# KiCad board tiddlywink-backup.kicad_pcb
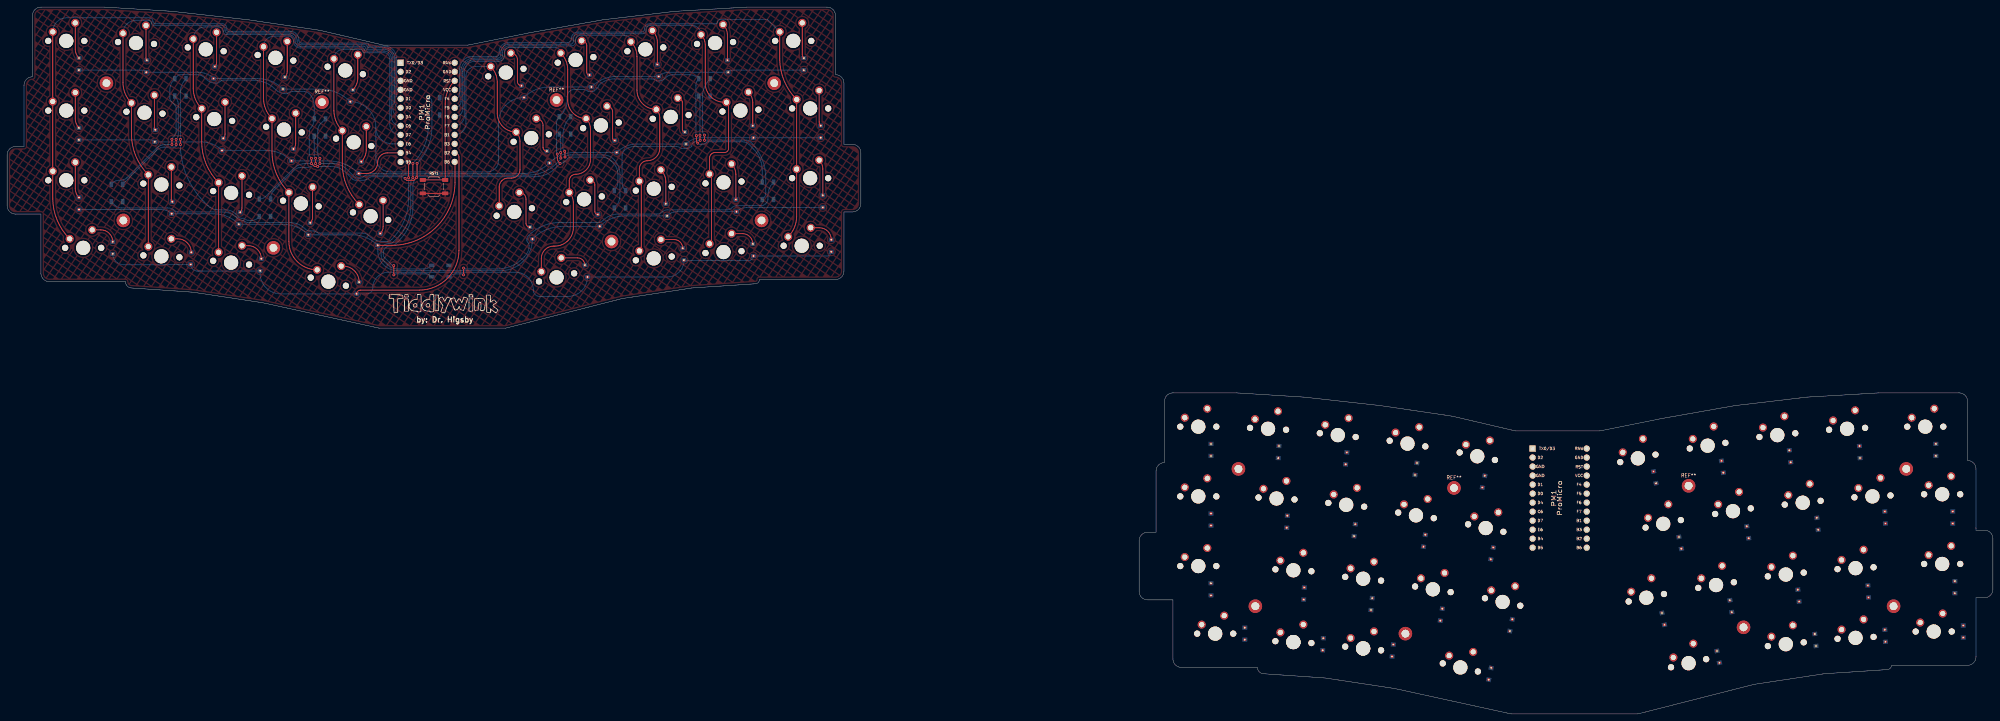
[diagram p0: board, top side]
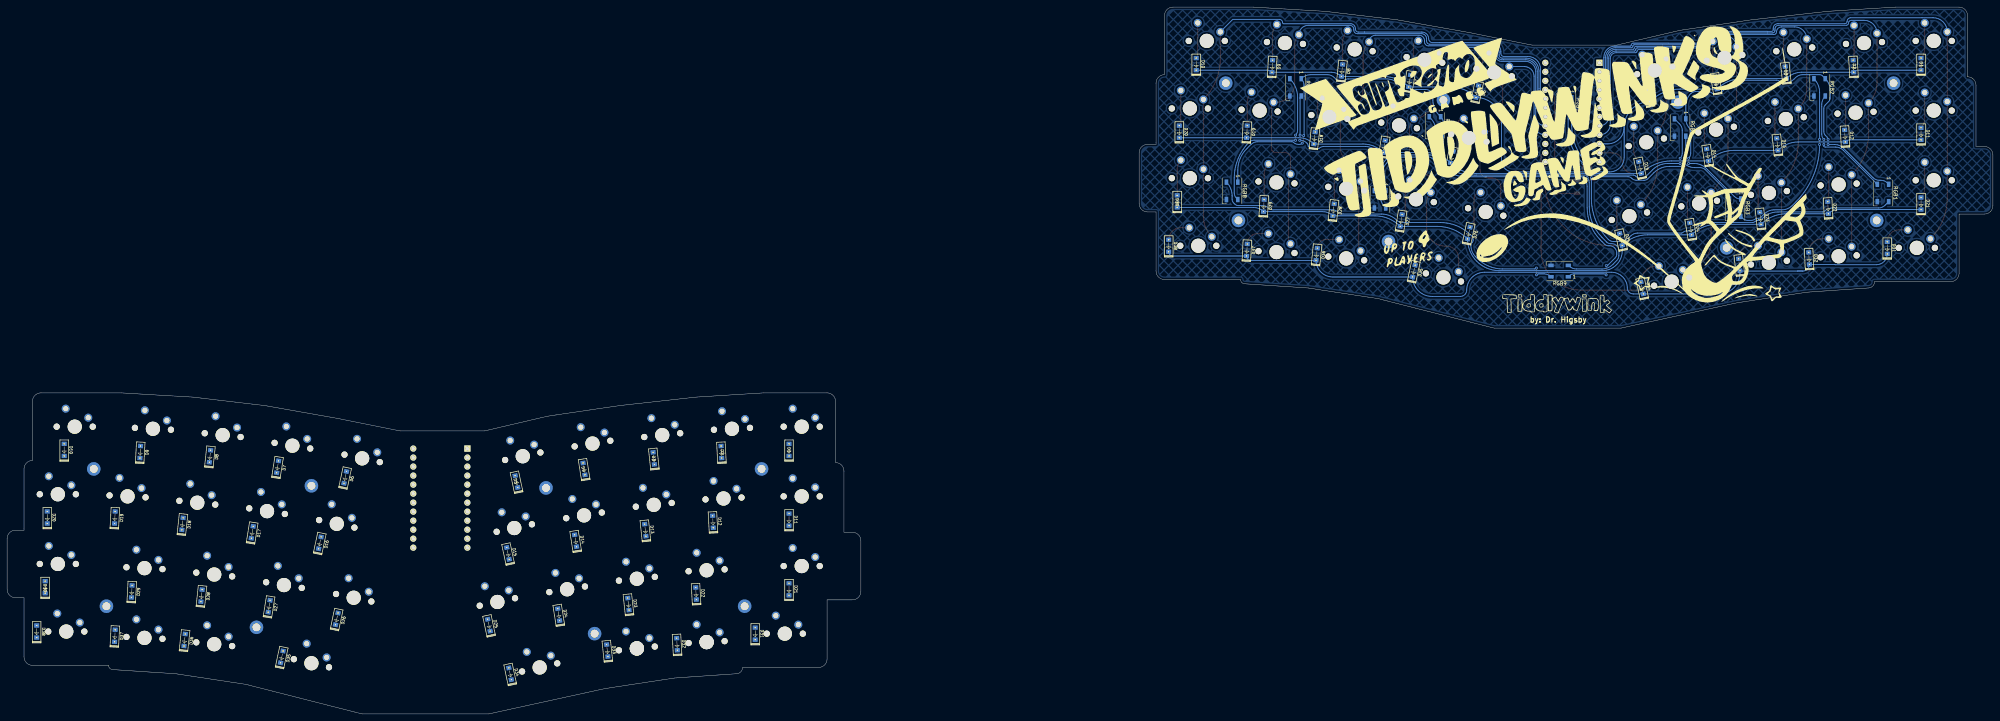
[diagram p1: board, bottom side, seen from below]

Outline 559.4 x 199.23 mm; copper layers: Top, Bottom. Coordinates in mm from the lower left corner of the outline.
Outline path: circle c346.87,69.06 r1 ; circle c351.63,30.36 r1 ; circle c393.9,22.62 r1 ; circle c407.59,63.7 r1 ; circle c473.67,64.29 r1 ; circle c489.15,24.41 r1 ; circle c531.42,30.36 r1 ; circle c534.99,69.06 r1 ; 0,157.56 0,143.27 arc(0.7,141.59) 2.38,140.89 9.53,140.89 9.53,124.22 arc(10.22,122.54) 11.91,121.84 33.34,121.84 arc(33.86,120.58) 35.12,120.06 52.39,118.87 72.03,115.89 104.78,108.75 140.49,108.75 173.24,117.08 192.88,120.06 210.74,121.25 arc(211.58,121.6) 211.93,122.44 233.36,122.44 arc(235.05,123.14) 235.74,124.82 235.74,141.49 238.13,141.49 arc(239.81,142.19) 240.51,143.87 240.51,158.16 arc(239.81,159.84) 238.13,160.54 235.74,160.54 235.74,177.8 arc(235.05,179.49) 233.36,180.18 233.36,196.85 arc(232.67,198.54) 230.98,199.23 208.36,199.23 188.12,198.04 167.88,195.66 147.64,192.09 129.78,188.52 105.97,188.52 88.11,192.69 67.87,195.66 46.43,198.04 27.38,199.23 9.53,199.23 arc(7.84,198.54) 7.14,196.85 7.14,179.59 arc(5.46,178.89) 4.76,177.21 4.76,159.94 2.38,159.94 arc(0.7,159.25) 0,157.56 ; 318.89,48.82 318.89,34.53 arc(319.59,32.84) 321.27,32.15 328.42,32.15 328.42,15.48 arc(329.11,13.79) 330.8,13.1 352.23,13.1 arc(352.75,11.83) 354.01,11.31 371.28,10.12 390.92,7.14 423.67,0 459.39,0 492.13,8.33 511.77,11.31 529.63,12.5 arc(530.47,12.85) 530.82,13.69 552.25,13.69 arc(553.94,14.39) 554.64,16.07 554.64,32.74 557.02,32.74 arc(558.7,33.44) 559.4,35.12 559.4,49.41 arc(558.7,51.09) 557.02,51.79 554.64,51.79 554.64,69.06 arc(553.94,70.74) 552.25,71.44 552.25,88.11 arc(551.56,89.79) 549.87,90.49 527.25,90.49 507.01,89.3 486.77,86.92 466.53,83.34 448.67,79.77 424.86,79.77 407,83.94 386.76,86.92 365.33,89.3 346.28,90.49 328.42,90.49 arc(326.73,89.79) 326.04,88.11 326.04,70.84 arc(324.35,70.14) 323.65,68.46 323.65,51.2 321.27,51.2 arc(319.59,50.5) 318.89,48.82

## Placement (name value [footprint] x y rotation side)
   LOGO  [tiddlytext]  122.92 115.71 0 top
 #2  LOGO  [tiddlytext]  122.81 115.69 180 bottom
D1  D_Small  [D_SOD123_via]  339.13 74.41 90 bottom
D1#2  D_Small  [D_SOD123_via]  20.24 183.16 90 bottom
D2  D_Small  [D_SOD123_via]  358.18 73.82 87 bottom
D2#2  D_Small  [D_SOD123_via]  39.29 182.57 87 bottom
D3  D_Small  [D_SOD123_via]  58.34 180.78 84 bottom
D3#2  D_Small  [D_SOD123_via]  377.23 72.03 84 bottom
D4  D_Small  [D_SOD123_via]  396.88 69.06 81 bottom
D4#2  D_Small  [D_SOD123_via]  77.99 177.8 81 bottom
D5  D_Small  [D_SOD123_via]  415.93 65.48 78 bottom
D5#2  D_Small  [D_SOD123_via]  97.04 174.23 78 bottom
D6  D_Small  [D_SOD123_via]  145.26 175.42 102 bottom
D6#2  D_Small  [D_SOD123_via]  464.15 66.68 102 bottom
D7  D_Small  [D_SOD123_via]  164.31 178.4 99 bottom
D7#2  D_Small  [D_SOD123_via]  483.2 69.65 99 bottom
D8  D_Small  [D_SOD123_via]  502.25 72.63 96 bottom
D8#2  D_Small  [D_SOD123_via]  183.36 181.37 96 bottom
D9  D_Small  [D_SOD123_via]  521.89 73.82 93 bottom
D9#2  D_Small  [D_SOD123_via]  203 182.57 93 bottom
D10  D_Small  [D_SOD123_via]  224.43 183.16 90 bottom
D10#2  D_Small  [D_SOD123_via]  543.32 74.41 90 bottom
D11  D_Small  [D_SOD123_via]  339.13 54.77 90 bottom
D11#2  D_Small  [D_SOD123_via]  20.24 163.52 90 bottom
D12  D_Small  [D_SOD123_via]  41.67 162.92 87 bottom
D12#2  D_Small  [D_SOD123_via]  360.56 54.17 87 bottom
D13  D_Small  [D_SOD123_via]  60.72 160.54 84 bottom
D13#2  D_Small  [D_SOD123_via]  379.61 51.79 84 bottom
D14  D_Small  [D_SOD123_via]  80.37 157.56 81 bottom
D14#2  D_Small  [D_SOD123_via]  399.26 48.82 81 bottom
D15  D_Small  [D_SOD123_via]  99.42 153.99 78 bottom
D15#2  D_Small  [D_SOD123_via]  418.31 45.24 78 bottom
D16  D_Small  [D_SOD123_via]  471.29 48.22 102 bottom
D16#2  D_Small  [D_SOD123_via]  152.4 156.97 102 bottom
D17  D_Small  [D_SOD123_via]  171.45 159.94 99 bottom
D17#2  D_Small  [D_SOD123_via]  490.34 51.2 99 bottom
D18  D_Small  [D_SOD123_via]  191.1 162.32 96 bottom
D18#2  D_Small  [D_SOD123_via]  509.99 53.58 96 bottom
D19  D_Small  [D_SOD123_via]  210.15 164.11 93 bottom
D19#2  D_Small  [D_SOD123_via]  529.04 55.36 93 bottom
D20  D_Small  [D_SOD123_via]  229.2 164.11 90 bottom
D20#2  D_Small  [D_SOD123_via]  548.09 55.36 90 bottom
D21  D_Small  [D_SOD123_via]  339.13 35.12 90 bottom
D21#2  D_Small  [D_SOD123_via]  20.24 143.87 90 bottom
D22  D_Small  [D_SOD123_via]  365.33 33.93 87 bottom
D22#2  D_Small  [D_SOD123_via]  46.43 142.68 87 bottom
D23  D_Small  [D_SOD123_via]  384.38 30.96 84 bottom
D23#2  D_Small  [D_SOD123_via]  65.48 139.7 84 bottom
D24  D_Small  [D_SOD123_via]  404.02 27.98 81 bottom
D24#2  D_Small  [D_SOD123_via]  85.13 136.73 81 bottom
D25  D_Small  [D_SOD123_via]  423.67 25 78 bottom
D25#2  D_Small  [D_SOD123_via]  104.78 133.75 78 bottom
D26  D_Small  [D_SOD123_via]  466.53 26.79 102 bottom
D26#2  D_Small  [D_SOD123_via]  147.64 135.54 102 bottom
D27  D_Small  [D_SOD123_via]  485.58 30.36 99 bottom
D27#2  D_Small  [D_SOD123_via]  166.69 139.11 99 bottom
D28  D_Small  [D_SOD123_via]  185.74 142.08 96 bottom
D28#2  D_Small  [D_SOD123_via]  504.63 33.34 96 bottom
D29  D_Small  [D_SOD123_via]  524.27 34.53 93 bottom
D29#2  D_Small  [D_SOD123_via]  205.38 143.27 93 bottom
D30  D_Small  [D_SOD123_via]  548.68 35.72 90 bottom
D30#2  D_Small  [D_SOD123_via]  229.79 144.47 90 bottom
D31  D_Small  [D_SOD123_via]  29.77 131.37 90 bottom
D31#2  D_Small  [D_SOD123_via]  348.66 22.62 90 bottom
D32  D_Small  [D_SOD123_via]  51.79 128.39 87 bottom
D32#2  D_Small  [D_SOD123_via]  370.68 19.65 87 bottom
D33  D_Small  [D_SOD123_via]  71.44 126.61 84 bottom
D33#2  D_Small  [D_SOD123_via]  390.33 17.86 84 bottom
D34  D_Small  [D_SOD123_via]  417.71 11.31 78 bottom
D34#2  D_Small  [D_SOD123_via]  98.82 120.06 78 bottom
D35  D_Small  [D_SOD123_via]  482.01 16.07 102 bottom
D35#2  D_Small  [D_SOD123_via]  163.12 124.82 102 bottom
D36  D_Small  [D_SOD123_via]  509.39 20.84 96 bottom
D36#2  D_Small  [D_SOD123_via]  190.5 129.58 96 bottom
D37  D_Small  [D_SOD123_via]  210.15 130.77 93 bottom
D37#2  D_Small  [D_SOD123_via]  529.04 22.03 93 bottom
D38  D_Small  [D_SOD123_via]  232.17 131.96 90 bottom
D38#2  D_Small  [D_SOD123_via]  551.06 23.22 90 bottom
G***  LOGO  [tiddly2]  124.42 151.01 171 bottom
MX1  MX-NoLED  [MXOnly-1U-NoLED]  335.56 80.96 0 top
MX1#2  MX-NoLED  [MXOnly-1U-NoLED]  16.67 189.71 0 top
MX2  MX-NoLED  [MXOnly-1U-NoLED]  355.21 80.37 357 top
MX2#2  MX-NoLED  [MXOnly-1U-NoLED]  36.31 189.11 357 top
MX3  MX-NoLED  [MXOnly-1U-NoLED]  374.85 78.58 354 top
MX3#2  MX-NoLED  [MXOnly-1U-NoLED]  55.96 187.33 354 top
MX4  MX-NoLED  [MXOnly-1U-NoLED]  75.6 184.95 351 top
MX4#2  MX-NoLED  [MXOnly-1U-NoLED]  394.5 76.2 351 top
MX5  MX-NoLED  [MXOnly-1U-NoLED]  414.14 72.63 348 top
MX5#2  MX-NoLED  [MXOnly-1U-NoLED]  95.25 181.37 348 top
MX6  MX-NoLED  [MXOnly-1U-NoLED]  459.39 72.03 12 top
MX6#2  MX-NoLED  [MXOnly-1U-NoLED]  140.49 180.78 12 top
MX7  MX-NoLED  [MXOnly-1U-NoLED]  479.03 75.6 9 top
MX7#2  MX-NoLED  [MXOnly-1U-NoLED]  160.14 184.35 9 top
MX8  MX-NoLED  [MXOnly-1U-NoLED]  179.78 187.33 6 top
MX8#2  MX-NoLED  [MXOnly-1U-NoLED]  498.68 78.58 6 top
MX9  MX-NoLED  [MXOnly-1U-NoLED]  199.43 189.11 3 top
MX9#2  MX-NoLED  [MXOnly-1U-NoLED]  518.32 80.37 3 top
MX10  MX-NoLED  [MXOnly-1.25U-NoLED]  221.46 189.71 0 top
MX10#2  MX-NoLED  [MXOnly-1.25U-NoLED]  540.35 80.96 0 top
MX11  MX-NoLED  [MXOnly-1.25U-NoLED]  335.56 61.32 0 top
MX11#2  MX-NoLED  [MXOnly-1.25U-NoLED]  16.67 170.06 0 top
MX12  MX-NoLED  [MXOnly-1U-NoLED]  357.59 60.72 357 top
MX12#2  MX-NoLED  [MXOnly-1U-NoLED]  38.7 169.47 357 top
MX13  MX-NoLED  [MXOnly-1U-NoLED]  58.34 167.68 354 top
MX13#2  MX-NoLED  [MXOnly-1U-NoLED]  377.23 58.94 354 top
MX14  MX-NoLED  [MXOnly-1U-NoLED]  396.88 55.96 351 top
MX14#2  MX-NoLED  [MXOnly-1U-NoLED]  77.99 164.71 351 top
MX15  MX-NoLED  [MXOnly-1U-NoLED]  416.52 52.39 348 top
MX15#2  MX-NoLED  [MXOnly-1U-NoLED]  97.63 161.13 348 top
MX16  MX-NoLED  [MXOnly-1U-NoLED]  466.53 53.58 12 top
MX16#2  MX-NoLED  [MXOnly-1U-NoLED]  147.64 162.32 12 top
MX17  MX-NoLED  [MXOnly-1U-NoLED]  486.17 57.15 9 top
MX17#2  MX-NoLED  [MXOnly-1U-NoLED]  167.28 165.9 9 top
MX18  MX-NoLED  [MXOnly-1U-NoLED]  186.93 168.28 6 top
MX18#2  MX-NoLED  [MXOnly-1U-NoLED]  505.82 59.53 6 top
MX19  MX-NoLED  [MXOnly-1U-NoLED]  525.46 61.32 3 top
MX19#2  MX-NoLED  [MXOnly-1U-NoLED]  206.57 170.06 3 top
MX20  MX-NoLED  [MXOnly-1U-NoLED]  545.11 61.91 0 top
MX20#2  MX-NoLED  [MXOnly-1U-NoLED]  226.22 170.66 0 top
MX21  MX-NoLED  [MXOnly-1.75U-NoLED]  335.56 41.67 0 top
MX21#2  MX-NoLED  [MXOnly-1.75U-NoLED]  16.67 150.42 0 top
MX22  MX-NoLED  [MXOnly-1U-NoLED]  362.35 40.48 357 top
MX22#2  MX-NoLED  [MXOnly-1U-NoLED]  43.46 149.23 357 top
MX23  MX-NoLED  [MXOnly-1U-NoLED]  381.99 38.1 354 top
MX23#2  MX-NoLED  [MXOnly-1U-NoLED]  63.1 146.85 354 top
MX24  MX-NoLED  [MXOnly-1U-NoLED]  82.75 143.87 351 top
MX24#2  MX-NoLED  [MXOnly-1U-NoLED]  401.64 35.12 351 top
MX25  MX-NoLED  [MXOnly-1U-NoLED]  102.39 140.3 348 top
MX25#2  MX-NoLED  [MXOnly-1U-NoLED]  421.29 31.55 348 top
MX26  MX-NoLED  [MXOnly-1U-NoLED]  461.77 32.74 12 top
MX26#2  MX-NoLED  [MXOnly-1U-NoLED]  142.88 141.49 12 top
MX27  MX-NoLED  [MXOnly-1U-NoLED]  162.52 145.06 9 top
MX27#2  MX-NoLED  [MXOnly-1U-NoLED]  481.41 36.31 9 top
MX28  MX-NoLED  [MXOnly-1U-NoLED]  182.17 148.04 6 top
MX28#2  MX-NoLED  [MXOnly-1U-NoLED]  501.06 39.29 6 top
MX29  MX-NoLED  [MXOnly-1U-NoLED]  201.81 149.82 3 top
MX29#2  MX-NoLED  [MXOnly-1U-NoLED]  520.7 41.08 3 top
MX30  MX-NoLED  [MXOnly-1.5U-NoLED]  545.11 42.27 0 top
MX30#2  MX-NoLED  [MXOnly-1.5U-NoLED]  226.22 151.01 0 top
MX31  MX-NoLED  [MXOnly-1.25U-NoLED]  21.43 131.37 0 top
MX31#2  MX-NoLED  [MXOnly-1.25U-NoLED]  340.32 22.62 0 top
MX32  MX-NoLED  [MXOnly-1U-NoLED]  362.35 20.24 357 top
MX32#2  MX-NoLED  [MXOnly-1U-NoLED]  43.46 128.99 357 top
MX33  MX-NoLED  [MXOnly-1U-NoLED]  63.1 127.2 354 top
MX33#2  MX-NoLED  [MXOnly-1U-NoLED]  381.99 18.45 354 top
MX34  MX-NoLED  [MXOnly-1.75U-NoLED]  409.38 13.1 347 top
MX34#2  MX-NoLED  [MXOnly-1.75U-NoLED]  90.49 121.84 347 top
MX35  MX-NoLED  [MXOnly-1.75U-NoLED]  473.67 14.29 13 top
MX35#2  MX-NoLED  [MXOnly-1.75U-NoLED]  154.78 123.03 13 top
MX36  MX-NoLED  [MXOnly-1U-NoLED]  501.06 19.65 6 top
MX36#2  MX-NoLED  [MXOnly-1U-NoLED]  182.17 128.39 6 top
MX37  MX-NoLED  [MXOnly-1U-NoLED]  520.7 21.43 3 top
MX37#2  MX-NoLED  [MXOnly-1U-NoLED]  201.81 130.18 3 top
MX38  MX-NoLED  [MXOnly-1.25U-NoLED]  223.84 131.96 0 top
MX38#2  MX-NoLED  [MXOnly-1.25U-NoLED]  542.73 23.22 0 top
NOREF  -  [unnamed]  75.01 131.37 0 top
NOREF#2  -  [unnamed#2]  362.35 20.24 0 top
NOREF#3  -  [unnamed]  27.98 177.8 0 top
NOREF#4  -  [unnamed]  531.42 30.36 0 top
NOREF#5  -  [unnamed]  534.99 69.06 0 top
NOREF#6  -  [unnamed#2]  381.99 18.45 0 top
NOREF#7  -  [unnamed]  212.53 139.11 0 top
NOREF#8  -  [unnamed]  32.74 139.11 0 top
NOREF#9  -  [unnamed]  216.1 177.8 0 top
NOREF#10  -  [unnamed]  346.87 69.06 0 top
NOREF#11  -  [unnamed]  170.26 133.15 0 top
NOREF#12  -  [unnamed]  393.9 22.62 0 top
NOREF#13  -  [unnamed]  489.15 24.41 0 top
NOREF#14  -  [unnamed]  351.63 30.36 0 top
PM1  ProMicro  [ArduinoProMicro]  437.36 60.82 270 top
PM1#2  ProMicro  [ArduinoProMicro]  118.47 169.57 270 top
REF**  -  [MountingHole_2.2mm_M2_DIN965_Pad]  154.78 173.04 0 top
REF**#2  -  [MountingHole_2.2mm_M2_DIN965_Pad]  473.67 64.29 0 top
REF**#3  -  [MountingHole_2.2mm_M2_DIN965_Pad]  407.59 63.7 0 top
REF**#4  -  [MountingHole_2.2mm_M2_DIN965_Pad]  88.7 172.44 0 top
RGB1  WS2812B  [LED_WS2812B_PLCC4_5.0x5.0mm_P3.2mm]  30.96 146.85 270 bottom
RGB2  WS2812B  [LED_WS2812B_PLCC4_5.0x5.0mm_P3.2mm]  48.82 176.61 270 bottom
RGB3  WS2812B  [LED_WS2812B_PLCC4_5.0x5.0mm_P3.2mm]  72.63 142.68 270 bottom
RGB4  WS2812B  [LED_WS2812B_PLCC4_5.0x5.0mm_P3.2mm]  88.11 165.3 270 bottom
RGB5  WS2812B  [LED_WS2812B_PLCC4_5.0x5.0mm_P3.2mm]  157.16 165.9 270 bottom
RGB6  WS2812B  [LED_WS2812B_PLCC4_5.0x5.0mm_P3.2mm]  172.64 145.06 270 bottom
RGB7  WS2812B  [LED_WS2812B_PLCC4_5.0x5.0mm_P3.2mm]  196.45 176.61 270 bottom
RGB8  WS2812B  [LED_WS2812B_PLCC4_5.0x5.0mm_P3.2mm]  214.31 147.44 270 bottom
RGB9  WS2812B  [LED_WS2812B_PLCC4_5.0x5.0mm_P3.2mm]  122.04 124.82 0 bottom
RGB10  WS2812B  [LED_WS2812B_PLCC4_5.0x5.0mm_P3.2mm]  120.25 171.25 270 bottom
RST1  SW_Push  [SW_SPST_TL3342]  120.25 148.63 0 top

## Library data of the parts
PM1 = -: Field4: B6; Field5: D1; Field6: F5; Field7: B3; Field8: B2; Field9: GND; Field10: F7; Field11: ST; Field12: D7; Field13: D0; Field14: B4; Field15: F4; Field16: GND; Field17: E6; Field18: B5; Field19: TX0/D3; Field20: GND; Field21: RST; Field22: VCC; Field23: B1; Field24: RAW; Field25: D2; Field26: D4; Field27: F6; Field28: C6
PM1#2 = -: Field4: D4; Field5: F4; Field6: D1; Field7: B6; Field8: B2; Field9: GND; Field10: D0; Field11: F7; Field12: RAW; Field13: B4; Field14: B3; Field15: ST; Field16: F5; Field17: VCC; Field18: D2; Field19: D7; Field20: E6; Field21: F6; Field22: GND; Field23: C6; Field24: RST; Field25: GND; Field26: B1; Field27: B5; Field28: TX0/D3

## Footprints (pads in the part's own frame, mm; a bottom-side part is the same pattern mirrored in y, then rotated)
ArduinoProMicro
  rect 1.753x1.753 hole 1.092: 1(-13.97,-7.62)
  round 1.753 hole 1.092: 2(-11.43,-7.62) 3(-8.89,-7.62) 4(-6.35,-7.62) 5(-3.81,-7.62) 6(-1.27,-7.62) 7(1.27,-7.62) 8(3.81,-7.62) 9(6.35,-7.62) 10(8.89,-7.62) 11(11.43,-7.62) 12(13.97,-7.62) 13(13.97,7.62) 14(11.43,7.62) 15(8.89,7.62) 16(6.35,7.62) 17(3.81,7.62) 18(1.27,7.62) 19(-1.27,7.62) 20(-3.81,7.62) 21(-6.35,7.62) 22(-8.89,7.62) 23(-11.43,7.62) 24(-13.97,7.62)
D_SOD123_via
  round 0.8 hole 0.4: 1(-1.7,0) 2(1.7,0)
  rect 1.2x1.4 smd: 1(-1.7,0) 2(1.7,0)
LED_WS2812B_PLCC4_5.0x5.0mm_P3.2mm
  rect 1.5x1 smd: 1(-2.45,1.6) 2(-2.45,-1.6) 3(2.45,-1.6) 4(2.45,1.6)
MountingHole_2.2mm_M2_DIN965_Pad
  round 3.8 hole 2.2: 1(0,0)
MXOnly-1.5U-NoLED
  round 1.75 hole 1.75 unplated: (-5.08,0) (5.08,0)
  round 3.988 hole 3.988 unplated: (0,0)
  round 2.25 hole 1.47: 1(-3.81,2.54) 2(2.54,5.08)
MXOnly-1.25U-NoLED
  round 1.75 hole 1.75 unplated: (-5.08,0) (5.08,0)
  round 3.988 hole 3.988 unplated: (0,0)
  round 2.25 hole 1.47: 1(-3.81,2.54) 2(2.54,5.08)
MXOnly-1.75U-NoLED
  round 1.75 hole 1.75 unplated: (-5.08,0) (5.08,0)
  round 3.988 hole 3.988 unplated: (0,0)
  round 2.25 hole 1.47: 1(-3.81,2.54) 2(2.54,5.08)
MXOnly-1U-NoLED
  round 1.75 hole 1.75 unplated: (-5.08,0) (5.08,0)
  round 3.988 hole 3.988 unplated: (0,0)
  round 2.25 hole 1.47: 1(-3.81,2.54) 2(2.54,5.08)
SW_SPST_TL3342
  rect 1.7x1 smd: 1(-3.15,1.9) 1(3.15,1.9) 2(-3.15,-1.9) 2(3.15,-1.9)
unnamed
  round 3.8 hole 2.2: 1(0,0)
unnamed#2
  round 3.988 hole 3.988 unplated: (0,0)

## Nets
+5V: RGB1.1 RGB2.1 RGB3.1 RGB4.1 RGB5.1 RGB6.1 RGB7.1 RGB8.1 RGB9.1 RGB10.1
GND: PM1.3 PM1.4 PM1.23 PM1#2.3 PM1#2.4 PM1#2.23 RGB1.3 RGB2.3 RGB3.3 RGB4.3 RGB5.3 RGB6.3 RGB7.3 RGB8.3 RGB9.3 RGB10.3 RST1.2
VCC: PM1.21 PM1#2.21
c1: MX1.1 MX1#2.1 MX11.1 MX11#2.1 MX21.1 MX21#2.1 MX31.1 MX31#2.1 PM1.5 PM1#2.5
c2: MX2.1 MX2#2.1 MX12.1 MX12#2.1 MX22.1 MX22#2.1 MX32.1 MX32#2.1 PM1.6 PM1#2.6
c3: MX3.1 MX3#2.1 MX13.1 MX13#2.1 MX23.1 MX23#2.1 MX33.1 MX33#2.1 PM1.7 PM1#2.7
c4: MX4.1 MX4#2.1 MX14.1 MX14#2.1 MX24.1 MX24#2.1 MX34.1 MX34#2.1 PM1.8 PM1#2.8
c5: MX5.1 MX5#2.1 MX15.1 MX15#2.1 MX25.1 MX25#2.1 PM1.9 PM1#2.9
c6: MX6.1 MX6#2.1 MX16.1 MX16#2.1 MX26.1 MX26#2.1 PM1.16 PM1#2.16
c7: MX7.1 MX7#2.1 MX17.1 MX17#2.1 MX27.1 MX27#2.1 MX35.1 MX35#2.1 PM1.17 PM1#2.17
c8: MX8.1 MX8#2.1 MX18.1 MX18#2.1 MX28.1 MX28#2.1 MX36.1 MX36#2.1 PM1.18 PM1#2.18
c9: MX9.1 MX9#2.1 MX19.1 MX19#2.1 MX29.1 MX29#2.1 MX37.1 MX37#2.1 PM1.19 PM1#2.19
c10: MX10.1 MX10#2.1 MX20.1 MX20#2.1 MX30.1 MX30#2.1 MX38.1 MX38#2.1 PM1.20 PM1#2.20
r1: D1.1 D1#2.1 D2.1 D2#2.1 D3.1 D3#2.1 D4.1 D4#2.1 D5.1 D5#2.1 D6.1 D6#2.1 D7.1 D7#2.1 D8.1 D8#2.1 D9.1 D9#2.1 D10.1 D10#2.1 PM1.10 PM1#2.10
r2: D11.1 D11#2.1 D12.1 D12#2.1 D13.1 D13#2.1 D14.1 D14#2.1 D15.1 D15#2.1 D16.1 D16#2.1 D17.1 D17#2.1 D18.1 D18#2.1 D19.1 D19#2.1 D20.1 D20#2.1 PM1.11 PM1#2.11
r3: D21.1 D21#2.1 D22.1 D22#2.1 D23.1 D23#2.1 D24.1 D24#2.1 D25.1 D25#2.1 D26.1 D26#2.1 D27.1 D27#2.1 D28.1 D28#2.1 D29.1 D29#2.1 D30.1 D30#2.1 PM1.13 PM1#2.13
r4: D31.1 D31#2.1 D32.1 D32#2.1 D33.1 D33#2.1 D34.1 D34#2.1 D35.1 D35#2.1 D36.1 D36#2.1 D37.1 D37#2.1 D38.1 D38#2.1 PM1.14 PM1#2.14
RGB: PM1#2.12 RGB1.4
RST: PM1.22 PM1#2.22 RST1.1
Net-(D1-Pad2): D1.2 D1#2.2 MX1.2 MX1#2.2
Net-(D2-Pad2): D2.2 D2#2.2 MX2.2 MX2#2.2
Net-(D3-Pad2): D3.2 D3#2.2 MX3.2 MX3#2.2
Net-(D4-Pad2): D4.2 D4#2.2 MX4.2 MX4#2.2
Net-(D5-Pad2): D5.2 D5#2.2 MX5.2 MX5#2.2
Net-(D6-Pad2): D6.2 D6#2.2 MX6.2 MX6#2.2
Net-(D7-Pad2): D7.2 D7#2.2 MX7.2 MX7#2.2
Net-(D8-Pad2): D8.2 D8#2.2 MX8.2 MX8#2.2
Net-(D9-Pad2): D9.2 D9#2.2 MX9.2 MX9#2.2
Net-(D10-Pad2): D10.2 D10#2.2 MX10.2 MX10#2.2
Net-(D11-Pad2): D11.2 D11#2.2 MX11.2 MX11#2.2
Net-(D12-Pad2): D12.2 D12#2.2 MX12.2 MX12#2.2
Net-(D13-Pad2): D13.2 D13#2.2 MX13.2 MX13#2.2
Net-(D14-Pad2): D14.2 D14#2.2 MX14.2 MX14#2.2
Net-(D15-Pad2): D15.2 D15#2.2 MX15.2 MX15#2.2
Net-(D16-Pad2): D16.2 D16#2.2 MX16.2 MX16#2.2
Net-(D17-Pad2): D17.2 D17#2.2 MX17.2 MX17#2.2
Net-(D18-Pad2): D18.2 D18#2.2 MX18.2 MX18#2.2
Net-(D19-Pad2): D19.2 D19#2.2 MX19.2 MX19#2.2
Net-(D20-Pad2): D20.2 D20#2.2 MX20.2 MX20#2.2
Net-(D21-Pad2): D21.2 D21#2.2 MX21.2 MX21#2.2
Net-(D22-Pad2): D22.2 D22#2.2 MX22.2 MX22#2.2
Net-(D23-Pad2): D23.2 D23#2.2 MX23.2 MX23#2.2
Net-(D24-Pad2): D24.2 D24#2.2 MX24.2 MX24#2.2
Net-(D25-Pad2): D25.2 D25#2.2 MX25.2 MX25#2.2
Net-(D26-Pad2): D26.2 D26#2.2 MX26.2 MX26#2.2
Net-(D27-Pad2): D27.2 D27#2.2 MX27.2 MX27#2.2
Net-(D28-Pad2): D28.2 D28#2.2 MX28.2 MX28#2.2
Net-(D29-Pad2): D29.2 D29#2.2 MX29.2 MX29#2.2
Net-(D30-Pad2): D30.2 D30#2.2 MX30.2 MX30#2.2
Net-(D31-Pad2): D31.2 D31#2.2 MX31.2 MX31#2.2
Net-(D32-Pad2): D32.2 D32#2.2 MX32.2 MX32#2.2
Net-(D33-Pad2): D33.2 D33#2.2 MX33.2 MX33#2.2
Net-(D34-Pad2): D34.2 D34#2.2 MX34.2 MX34#2.2
Net-(D35-Pad2): D35.2 D35#2.2 MX35.2 MX35#2.2
Net-(D36-Pad2): D36.2 D36#2.2 MX36.2 MX36#2.2
Net-(D37-Pad2): D37.2 D37#2.2 MX37.2 MX37#2.2
Net-(D38-Pad2): D38.2 D38#2.2 MX38.2 MX38#2.2
Net-(RGB1-Pad2): RGB1.2 RGB2.4
Net-(RGB2-Pad2): RGB2.2 RGB3.4
Net-(RGB3-Pad2): RGB3.2 RGB4.4
Net-(RGB4-Pad2): RGB4.2 RGB5.4
Net-(RGB5-Pad2): RGB5.2 RGB6.4
Net-(RGB6-Pad2): RGB6.2 RGB7.4
Net-(RGB8-Pad2): RGB8.2 RGB9.4
Net-(RGB8-Pad4): RGB7.2 RGB8.4
Net-(RGB9-Pad2): RGB9.2 RGB10.4

Pads without a net: NOREF 1; NOREF#3 1; NOREF#4 1; NOREF#5 1; NOREF#7 1; NOREF#8 1; NOREF#9 1; NOREF#10 1; NOREF#11 1; NOREF#12 1; NOREF#13 1; NOREF#14 1; PM1 1 2 12 15 24; PM1#2 1 2 15 24; REF** 1; REF**#2 1; REF**#3 1; REF**#4 1; RGB10 2

## Via types
v1: diameter 0.8, hole 0.4, Top to Bottom, 36 vias

## Routing (per net, layer and track width the routed paths; a pad name or vN(x,y) marks a point on that pad's centre or on a via; arc(x,y) is an arc through that point)
+5V: length 394.2
  Top w0.25: v1(87.48,154.33) 86.55,154.33 v1(85.73,155.16) v1(85.73,156.61) ; v1(155.78,155.16) 155.5,155.45 arc(155.13,156) 155,156.66 v1(155,157.81) ; v1(46.43,160.5) v1(46.43,161.95) ; v1(112.13,150.97) 112.03,150.97 arc(111.97,150.98) 111.92,151.01 112.51,150.42 114.6,150.42 115.3,151.12 v1(115.3,151.15) arc(115.44,151.36) 115.49,151.61 v1(115.49,155.18) ; v1(194.17,162.99) 194.17,161.8 arc(194.27,161.31) v1(194.55,160.88) ; v1(108.94,123.76) 108.94,126.28 arc(108.93,126.32) v1(108.91,126.35)
  Bottom w0.25: v1(46.43,160.5) 44.54,160.5 arc(43.23,160.24) 42.12,159.5 33.79,151.16 arc(32.96,150.61) 31.99,150.42 31.55,150.42 arc(30.56,150.22) 29.72,149.66 RGB1.1 ; 142.69,151.42 115.96,151.42 arc(115.6,151.35) v1(115.3,151.15) arc(114.56,150.04) 114.3,148.73 114.3,142.68 arc(113.32,137.73) 110.51,133.53 109.36,132.38 arc(108.9,132.07) 108.35,131.96 108,131.96 arc(107.22,131.81) 106.56,131.37 arc(106.12,130.71) 105.97,129.93 105.97,129.58 arc(106.08,129.03) 106.39,128.57 108.38,126.57 arc(108.62,126.41) v1(108.91,126.35) ; 142.69,151.42 143.06,151.42 ; 142.69,151.42 142.69,151.42 148.65,151.42 arc(151.79,152.04) 154.44,153.82 v1(155.78,155.16) arc(156.49,155.3) 157.08,155.7 157.93,156.55 arc(158.4,156.86) 158.95,156.97 167.39,156.97 arc(168.94,156.66) 170.26,155.78 170.78,155.25 arc(171.72,153.85) 172.05,152.2 172.05,149.94 arc(171.78,148.62) RGB6.1 ; RGB8.1 212.71,153.3 arc(212.07,156.52) 210.25,159.25 208.95,160.54 arc(208.13,161.09) 207.17,161.28 197.4,161.28 arc(197.21,161.24) 197.05,161.13 arc(196.39,160.69) 195.61,160.54 195.38,160.54 arc(194.93,160.63) v1(194.55,160.88) ; v1(85.73,155.16) 84.2,155.16 arc(82.29,154.78) 80.66,153.69 72.86,145.89 arc(72.02,145.33) RGB3.1 ; v1(87.48,154.33) 91.13,154.33 arc(93.52,153.86) 95.55,152.5 97.21,150.84 arc(97.68,150.53) 98.23,150.42 100.36,150.42 arc(101.14,150.57) 101.8,151.01 arc(102.25,151.32) 102.78,151.42 111.03,151.42 arc(111.62,151.3) v1(112.13,150.97) ; RGB9.1 119.28,123.53 arc(118.72,123.91) 118.06,124.04 109.61,124.04 arc(109.25,123.97) v1(108.94,123.76) ; RGB10.1 arc(119.36,173.41) 119.66,172.7 119.66,165.24 arc(118.57,159.8) v1(115.49,155.18) ; v1(155,157.81) arc(154.8,158.1) 154.74,158.43 154.74,166.36 arc(154.95,167.43) RGB5.1 155.99,168.78 arc(157.3,170.73) 157.76,173.04 157.76,173.98 arc(157.91,174.76) 158.35,175.42 arc(159.01,175.86) 159.79,176.02 162.27,176.02 arc(163.05,175.86) 163.71,175.42 164.9,175.42 arc(165.22,175.49) 165.5,175.67 166.44,176.61 arc(166.62,176.89) 166.69,177.21 arc(168.67,178.53) 171,178.99 181.57,178.99 arc(182.35,178.84) 183.01,178.4 183.71,178.4 arc(184.48,178.55) 185.14,178.99 185.49,179.34 arc(186.42,179.97) 187.52,180.18 192.14,180.18 arc(193.61,179.89) RGB7.1 arc(194.24,178.15) 194.03,177.07 194.03,163.34 arc(194.07,163.15) v1(194.17,162.99) ; v1(46.43,161.95) arc(46.5,162.3) 46.7,162.59 47.2,163.09 arc(47.52,163.56) 47.63,164.11 47.63,170.66 arc(47.52,171.21) 47.2,171.68 46.26,172.62 arc(45.95,173.09) 45.84,173.64 45.84,175.74 arc(46.2,177.54) RGB2.1 48,179.85 arc(48.37,180.1) 48.82,180.18 53.58,180.18 arc(54.68,179.97) 55.61,179.34 55.96,178.99 arc(57.28,178.11) 58.83,177.8 58.94,177.8 arc(59.49,177.91) 59.95,178.22 arc(60.41,178.53) 60.96,178.64 69.27,178.64 arc(72.7,177.96) 75.6,176.02 arc(76.92,175.14) 78.48,174.83 78.93,174.83 arc(79.59,175.27) 80.37,175.42 83.69,175.42 arc(84.47,175.27) 85.13,174.83 arc(86.15,173.3) 86.51,171.5 RGB4.1 arc(86.2,166.21) 85.33,164.9 arc(85.18,164.68) 85.13,164.43 85.13,158.04 arc(85.28,157.27) v1(85.73,156.61)
GND: length 6.3
  Top w0.25: RST1.2 RST1.2
c1: length 177.7
  Top w0.25: MX1#2.1 MX11#2.1 MX21#2.1 12.86,145.41 arc(14.1,139.18) MX31.1
  Bottom w0.25: PM1#2.5 arc(109.97,173.75) 109.6,174.63 109.6,185.02 arc(109.6,185.02) 109.59,185.03 109.59,185.09 arc(108.67,187.31) 106.45,188.23 102.17,188.23 arc(101.97,188.31) 101.89,188.51 arc(101.73,188.91) 101.33,189.07 91.52,189.07 91.51,189.06 83,189.06 arc(82.43,189.3) 82.19,189.87 82.19,189.99 arc(81.49,191.7) 79.78,192.4 63.6,192.4 arc(63.59,192.4) 63.58,192.38 62.36,192.38 arc(62.02,192.52) 61.88,192.86 61.88,193.26 arc(61.5,194.17) 60.59,194.55 41.74,194.55 arc(41.26,194.75) 41.06,195.23 arc(40.77,195.94) 40.06,196.24 16.85,196.24 arc(14.03,195.07) MX1#2.1
c2: length 161.9
  Top w0.25: MX32#2.1 MX22#2.1 arc(36.26,157.24) 35.02,163.46 MX12#2.1 arc(33.26,174.84) 32.64,177.95 MX2#2.1
  Bottom w0.25: 106.26,187.78 101.84,187.78 arc(101.56,187.9) 101.44,188.18 101.44,188.18 arc(101.31,188.49) 101,188.62 92.99,188.62 92.98,188.61 82.76,188.61 arc(82.73,188.62) 82.73,188.64 arc(82.01,188.94) 81.71,189.66 81.71,189.67 arc(81.05,191.27) 79.45,191.94 63.62,191.94 62.08,191.93 arc(61.59,192.14) 61.39,192.62 61.39,193.09 arc(61.1,193.81) 60.38,194.1 41.29,194.1 arc(40.86,194.28) 40.68,194.71 arc(40.45,195.27) 39.89,195.5 36.3,195.5 arc(33.71,194.43) MX2#2.1 ; PM1#2.6 arc(109.65,171.34) 109.15,172.54 109.15,184.9 arc(108.3,186.95) 106.26,187.79
c3: length 143
  Top w0.25: MX3#2.1 52.44,176.36 arc(53.05,173.24) MX13.1 54.82,161.27 arc(56.05,155.05) MX23#2.1 MX33.1
  Bottom w0.25: PM1#2.7 arc(109.32,168.94) 108.68,170.47 108.68,184.88 arc(107.96,186.62) 106.23,187.33 101.32,187.33 arc(101.14,187.41) 101.06,187.59 arc(100.89,188) 100.49,188.16 82.6,188.16 arc(81.58,188.59) 81.16,189.6 arc(80.61,190.93) 79.28,191.49 75.09,191.49 75.03,191.49 61.7,191.49 arc(61.18,191.7) 60.96,192.22 arc(60.54,193.23) 59.53,193.65 55.84,193.65 arc(53.43,192.66) MX3#2.1
c4: length 131.1
  Top w0.25: MX4.1 72.24,173.56 arc(72.86,170.45) MX14#2.1 74.62,158.47 arc(75.86,152.25) MX24.1 79.38,133.14 arc(81.72,127.51) MX34#2.1
  Bottom w0.25: PM1#2.8 110.79,165.76 arc(108.98,166.51) 108.23,168.32 108.23,184.78 arc(107.63,186.23) 106.18,186.83 101.05,186.83 arc(100.74,186.96) 100.61,187.27 100.61,187.3 arc(100.49,187.59) 100.2,187.71 82.55,187.71 arc(81.24,188.26) 80.7,189.56 arc(80.27,190.6) 79.23,191.03 75.22,191.03 arc(73.11,190.16) MX4.1
c5: length 85
  Top w0.25: MX5#2.1 92.05,170.16 arc(92.67,167.05) MX15#2.1 94.43,155.07 arc(95.67,148.85) MX25.1
  Bottom w0.25: PM1#2.9 110.76,163.22 arc(108.66,164.09) 107.78,166.2 107.78,184.74 arc(107.3,185.9) 106.14,186.38 100.63,186.38 arc(100.36,186.49) 100.25,186.76 arc(100.1,187.12) 99.75,187.27 94.67,187.27 arc(92.82,186.5) MX5#2.1
c6: length 73.7
  Top w0.25: MX26#2.1 138.62,148.54 arc(139.35,150.31) 141.12,151.04 142.11,151.04 arc(143.79,151.74) 144.49,153.42 144.49,161.34 arc(144.2,162.79) MX16#2.1 arc(139.63,165.57) 138.08,169.32 138.08,178.02 arc(137.6,180.43) MX6#2.1
  Bottom w0.25: MX6#2.1 132,182.47 arc(130.06,181.67) 129.26,179.73 129.26,166.39 arc(128.33,164.15) PM1#2.16
c7: length 123.6
  Top w0.25: MX35#2.1 150.5,128.41 arc(151.51,130.85) 153.95,131.86 154.29,131.86 arc(157.98,133.39) 159.51,137.08 159.51,144.19 arc(159.21,145.7) MX27.1 158.36,150.27 arc(158.9,151.58) 160.21,152.12 arc(163.12,153.33) 164.33,156.24 164.33,164.89 arc(164.02,166.47) MX17#2.1 arc(159.44,169.33) 157.92,173.01 157.92,181.57 arc(157.42,184.11) MX7#2.1
  Bottom w0.25: MX7#2.1 arc(155.51,187.39) 154.38,187.86 141.46,187.86 arc(140.51,187.47) 140.12,186.53 140.12,185.62 arc(139.63,184.44) 138.44,183.94 131.69,183.94 arc(129.64,183.09) 128.79,181.04 128.79,170.61 128.79,168.46 arc(128,166.55) PM1#2.17
c8: length 135.2
  Top w0.25: MX36#2.1 arc(178.51,131.12) 178.65,131.82 178.65,148.86 arc(178.51,149.57) MX28.1 178.11,153.68 arc(178.77,155.27) 180.35,155.92 arc(182.83,156.95) 183.86,159.43 183.86,168.02 arc(183.6,169.31) MX18.1 arc(179.03,172) 177.43,175.85 177.43,185.35 arc(176.99,187.57) MX8.1
  Bottom w0.25: MX8.1 arc(175.19,190.76) 173.89,191.29 161.65,191.29 arc(160.56,190.84) 160.11,189.75 160.11,189.39 arc(159.79,188.63) 159.03,188.31 141.41,188.31 arc(140.1,187.77) 139.56,186.46 139.56,185.6 arc(139.21,184.75) 138.37,184.4 137.82,184.4 137.81,184.39 131.57,184.39 arc(129.29,183.45) 128.34,181.16 128.34,170.55 arc(127.68,168.96) PM1#2.18
c9: length 156.4
  Top w0.25: MX9.1 arc(196.36,190.14) 196.67,188.6 196.67,177.76 arc(198.24,173.97) 202.03,172.4 MX19#2.1 arc(203.06,172.22) 203.24,171.8 203.24,159.36 arc(202.92,158.58) 202.13,158.25 199.49,158.25 arc(198.35,157.78) 197.87,156.64 MX29.1 arc(198.29,151.54) 198.43,150.81 198.43,133.86 arc(198.29,133.13) MX37#2.1
  Bottom w0.25: MX9.1 arc(194.72,193.32) 192.85,194.09 181.18,194.09 arc(180.37,193.76) 180.04,192.96 180.04,192.71 arc(179.76,192.03) 179.07,191.75 174.06,191.75 174.04,191.75 160.99,191.75 arc(159.97,191.32) 159.54,190.3 159.54,189.65 arc(159.29,189.02) 158.66,188.76 141.33,188.76 arc(139.75,188.11) 139.09,186.52 139.09,185.67 arc(138.85,185.09) 138.27,184.85 131.51,184.85 arc(128.94,183.79) 127.87,181.21 127.87,176.31 127.87,172.62 arc(127.35,171.36) PM1#2.19
c10: length 168.7
  Top w0.25: MX10.1 217.65,184.7 arc(218.88,178.47) MX20#2.1 MX30#2.1 222.41,140.25 arc(221.79,137.14) MX38.1
  Bottom w0.25: MX10.1 214.13,195.77 200.99,195.77 arc(200.35,195.51) 200.09,194.87 arc(199.99,194.64) 199.76,194.54 180.96,194.54 arc(179.99,194.14) 179.59,193.17 179.59,193.04 arc(179.34,192.44) 178.74,192.19 177.01,192.19 177.01,192.2 160.84,192.2 arc(159.5,191.64) 158.95,190.3 arc(158.63,189.53) 157.86,189.21 155.98,189.21 155.97,189.22 141.15,189.22 arc(139.35,188.48) 138.61,186.68 138.61,186.17 arc(138.36,185.56) 137.74,185.3 131,185.3 arc(128.47,184.25) 127.42,181.72 127.42,174.71 arc(127.03,173.77) PM1#2.20
r1: length 250.3
  Bottom w0.25: D1#2.1 37.77,181.46 arc(38.54,181.31) D2#2.1 53.87,180.87 arc(56.19,180.41) D3.1 70.56,179.09 arc(74.44,178.32) D4#2.1 88.1,176.12 arc(92.74,175.2) D5#2.1 ; PM1#2.10 108.57,160.68 arc(105.25,162.06) 103.87,165.38 ; D5#2.1 97.08,172.17 ; D5#2.1 arc(101.77,170.46) 103.87,165.38 ; D10.1 204.52,181.46 arc(203.75,181.31) D9#2.1 186.39,180.87 arc(184.85,180.56) D8#2.1 171.73,179.68 arc(167.86,178.91) D7.1 152.76,176.72 arc(148.89,175.95) D6.1 145.6,173.76 arc(140.53,171.66) 138.43,166.59 138.43,155.99 arc(137.49,153.72) 135.21,152.78 107.96,152.78 arc(105.07,153.97) 103.87,156.87 103.87,165.38
r2: length 229.3
  Top w0.25: D15.1 101.29,152.33 arc(103.47,153.23) 104.38,155.42 arc(105.18,157.34) 107.1,158.14 PM1#2.11
  Bottom w0.25: D20.1 210.24,162.41 arc(210.24,162.41) D19.1 195.57,162.41 arc(193.24,161.95) D18.1 177.44,160.63 arc(174.34,160.02) D17.1 159.9,158.26 arc(156.03,157.49) D16#2.1 arc(149.46,153.1) 145.57,152.33 D15.1 arc(95.13,154.96) 90.48,155.88 D14.1 arc(76.82,158.08) 72.94,158.85 D13.1 arc(57.91,160.61) 54.81,161.22 D12.1 arc(40.93,161.66) 40.15,161.82 D11#2.1
r3: length 262.2
  Top w0.25: D25#2.1 108.4,132.09 arc(120.97,137.29) 126.17,149.85 126.17,155.52 arc(126.15,155.58) PM1#2.13
  Bottom w0.25: D21#2.1 43.48,142.17 arc(45.03,141.86) D22#2.1 58.14,140.98 arc(62.02,140.21) D23#2.1 77.71,138.01 arc(81.58,137.24) D24#2.1 97.27,135.05 arc(101.14,134.28) D25#2.1 104.42,130.52 arc(106.06,126.58) 110,124.94 139.06,124.94 arc(145.38,127.56) D26#2.1 arc(151.93,136.5) 156.58,137.43 D27#2.1 arc(170.24,139.62) 174.11,140.39 D28.1 arc(187.23,141.27) 188.77,141.58 D29#2.1 arc(206.79,142.46) 208.34,142.77 D30#2.1
r4: length 289.4
  Top w0.25: D34#2.1 arc(98.78,119.15) 99.54,119.46 116.09,119.46 arc(124.01,122.74) 127.29,130.66 127.29,156.94 arc(126.94,157.79) PM1#2.14
  Bottom w0.25: 55.08,124.83 71.18,124.83 D33.1 71.26,124.24 arc(72.97,120.11) 77.11,118.39 D34#2.1 101.33,118.39 arc(102.5,118.88) 102.99,120.06 arc(104.29,123.19) 107.42,124.49 138.88,124.49 139.31,124.49 143.2,124.49 arc(146.76,123.02) 148.23,119.46 arc(148.76,118.2) 150.02,117.68 157.99,117.68 arc(161.86,119.28) D35#2.1 185.94,123.16 arc(189.29,124.54) D36#2.1 190.76,127.81 208.97,127.81 arc(209.86,128.18) D37.1 230.98,129.08 arc(231.82,129.42) D38.1 ; 55.08,124.83 53.5,124.83 ; 55.08,124.83 53.56,124.83 arc(52.25,125.38) D32.1 ; 51.67,126.66 44.48,126.66 44.44,126.62 32.82,126.62 arc(30.66,127.51) D31.1
RGB: length 107.4
  Top w0.25: v1(113.11,151.15) v1(113.11,155.18)
  Bottom w0.25: PM1#2.12 112.1,155.6 arc(112.64,155.49) v1(113.11,155.18) ; RGB1.4 30.37,143.38 arc(31.22,142.82) 32.21,142.62 45.18,142.62 arc(46.39,142.38) 47.42,141.69 arc(47.65,141.54) 47.91,141.49 60.58,141.49 arc(62.91,141.02) 64.89,139.7 arc(65.55,139.26) 66.33,139.11 arc(66.65,139.04) 66.92,138.86 arc(67.31,138.6) 67.76,138.51 79.63,138.51 arc(81.96,138.05) 83.94,136.73 arc(84.6,136.29) 85.38,136.13 86.32,136.13 arc(86.87,136.02) 87.34,135.71 arc(87.53,135.58) 87.76,135.54 100.11,135.54 arc(101.12,135.34) 101.97,134.77 arc(103.76,133.57) 105.86,133.15 106.91,133.15 arc(107.69,133.31) 108.35,133.75 arc(111.87,139.02) 113.11,145.25 v1(113.11,151.15)
RST: length 35
  Top w0.25: RST1.1 RST1.1 123.4,171.98 arc(124.1,175.49) PM1#2.22
  Bottom w0.25: 126.04,178.51 arc(126.07,178.5) PM1#2.22
Net-(D1-Pad2): length 10.2
  Top w0.25: MX1#2.2 19.21,187.35 arc(19.48,186) D1#2.2
Net-(D2-Pad2): length 9.9
  Top w0.25: MX2#2.2 39.12,184.9 arc(39.18,184.55) D2#2.2
Net-(D3-Pad2): length 9.8
  Top w0.25: MX3#2.2 59.02,183.67 arc(58.89,183.02) D3.2
Net-(D4-Pad2): length 10.3
  Top w0.25: MX4.2 78.91,181.07 arc(78.74,180.21) D4#2.2
Net-(D5-Pad2): length 10.3
  Top w0.25: MX5#2.2 98.79,179.28 arc(98.43,177.45) D5#2.2
Net-(D6-Pad2): length 10.9
  Top w0.25: D6.2 arc(144.09,177.42) 143.75,178.24 143.75,184.45 arc(143.22,185.74) MX6#2.2
Net-(D7-Pad2): length 10.9
  Top w0.25: MX7#2.2 arc(162.86,189.35) 163.28,188.34 163.28,180.84 arc(163.5,180.3) D7.2
Net-(D8-Pad2): length 10
  Top w0.25: D8#2.2 183.18,189.27 arc(182.82,191.1) MX8.2
Net-(D9-Pad2): length 10.4
  Top w0.25: D9#2.2 202.91,191.39 arc(202.6,192.98) MX9.2
Net-(D10-Pad2): length 10
  Top w0.25: MX10.2 224,185.91 arc(224.11,185.34) D10.2
Net-(D11-Pad2): length 10.2
  Top w0.25: MX11#2.2 19.21,167.71 arc(19.48,166.36) D11#2.2
Net-(D12-Pad2): length 9.9
  Top w0.25: MX12#2.2 41.5,165.25 arc(41.57,164.91) D12.2
Net-(D13-Pad2): length 10.4
  Top w0.25: MX13.2 61.4,163.43 arc(61.27,162.78) D13.2
Net-(D14-Pad2): length 10.3
  Top w0.25: MX14#2.2 81.29,160.83 arc(81.12,159.97) D14.2
Net-(D15-Pad2): length 10.3
  Top w0.25: MX15#2.2 101.17,159.04 arc(100.81,157.21) D15.2
Net-(D16-Pad2): length 10.9
  Top w0.25: MX16#2.2 arc(150.41,167.26) 150.97,165.92 150.97,159.71 arc(151.29,158.94) D16#2.2
Net-(D17-Pad2): length 10.9
  Top w0.25: MX17#2.2 arc(170.11,170.85) 170.57,169.74 170.57,162.24 arc(170.75,161.8) D17.2
Net-(D18-Pad2): length 10.7
  Top w0.25: MX18.2 arc(189.84,173.22) 190.22,172.3 190.22,164.71 arc(190.43,164.22) D18.2
Net-(D19-Pad2): length 9.8
  Top w0.25: D19.2 210.06,172.34 arc(209.74,173.93) MX19#2.2
Net-(D20-Pad2): length 10
  Top w0.25: MX20#2.2 228.76,166.86 arc(228.87,166.29) D20.2
Net-(D21-Pad2): length 10.2
  Top w0.25: MX21#2.2 19.21,148.06 arc(19.48,146.71) D21#2.2
Net-(D22-Pad2): length 9.9
  Top w0.25: MX22#2.2 46.26,145.01 arc(46.33,144.67) D22#2.2
Net-(D23-Pad2): length 10.4
  Top w0.25: MX23#2.2 66.16,142.6 arc(66.03,141.95) D23#2.2
Net-(D24-Pad2): length 10.3
  Top w0.25: MX24.2 86.05,139.99 arc(85.88,139.13) D24#2.2
Net-(D25-Pad2): length 9.5
  Top w0.25: MX25.2 105.93,137.36 arc(105.73,136.31) D25#2.2
Net-(D26-Pad2): length 11.5
  Top w0.25: D26#2.2 arc(146.5,137.52) 146.17,138.31 146.17,145.12 arc(145.62,146.44) MX26#2.2
Net-(D27-Pad2): length 10.9
  Top w0.25: MX27.2 arc(165.17,150.09) 165.56,149.15 165.56,141.65 arc(165.81,141.04) D27#2.2
Net-(D28-Pad2): length 10
  Top w0.25: D28.2 185.56,149.98 arc(185.2,151.81) MX28.2
Net-(D29-Pad2): length 10.4
  Top w0.25: D29#2.2 205.29,152.1 arc(204.98,153.69) MX29.2
Net-(D30-Pad2): length 10.2
  Top w0.25: D30#2.2 229.79,153.6 arc(229.52,154.95) MX30#2.2
Net-(D31-Pad2): length 7.7
  Top w0.25: MX31.2 26.39,136.45 arc(28.78,135.46) D31.2
Net-(D32-Pad2): length 7.8
  Top w0.25: MX32#2.2 48.04,133.93 arc(50.76,132.8) D32.2
Net-(D33-Pad2): length 7.6
  Top w0.25: MX33.2 67.92,131.99 arc(70.53,130.91) D33.2
Net-(D34-Pad2): length 7.6
  Top w0.25: MX34#2.2 94.67,126.22 arc(97.86,124.9) D34#2.2
Net-(D35-Pad2): length 7.8
  Top w0.25: MX35#2.2 160.69,128.56 arc(162.16,127.95) D35#2.2
Net-(D36-Pad2): length 7.6
  Top w0.25: MX36#2.2 187.89,133.71 arc(189.61,133) D36#2.2
Net-(D37-Pad2): length 7.6
  Top w0.25: MX37#2.2 207.14,135.38 arc(209.2,134.53) D37.2
Net-(D38-Pad2): length 7.7
  Top w0.25: MX38.2 228.79,137.04 arc(231.18,136.05) D38.2
Net-(RGB1-Pad2): length 34.5
  Top w0.25: v1(47.63,161.95) v1(47.63,160.5)
  Bottom w0.25: v1(47.63,160.5) 47.63,159.94 arc(47.44,159.82) 47.21,159.77 44.3,159.77 arc(43.13,159.54) 42.14,158.88 RGB1.2 arc(32.83,149.35) 33.06,149.51 ; v1(47.63,161.95) arc(48.07,162.61) 48.22,163.38 48.22,171.74 arc(47.96,173.05) RGB2.4
Net-(RGB2-Pad2): length 54.5
  Top w0.25: v1(48.82,161.95) v1(48.82,160.5)
  Bottom w0.25: v1(48.82,161.95) 48.82,175.2 arc(49.23,177.29) RGB2.2 ; RGB3.4 70.51,139.71 arc(69.84,139.26) 69.06,139.11 68.11,139.11 arc(67.33,139.26) 66.68,139.7 66.08,139.7 arc(65.65,139.79) 65.28,140.03 64.36,140.96 arc(63.11,141.79) 61.64,142.08 59.43,142.08 arc(57.87,142.39) 56.55,143.27 55.52,144.31 arc(50.56,151.74) v1(48.82,160.5)
Net-(RGB3-Pad2): length 25.1
  Top w0.25: v1(86.92,156.61) v1(86.92,155.16)
  Bottom w0.25: RGB3.2 74.23,145.49 arc(74.44,146.53) 75.03,147.42 80.96,153.35 arc(81.67,153.82) 82.5,153.99 84.1,153.99 arc(85.62,154.29) v1(86.92,155.16) ; RGB4.4 86.51,157.6 arc(86.61,157.06) v1(86.92,156.61)
Net-(RGB4-Pad2): length 91.6
  Top w0.25: v1(155.99,156.68) 155.99,158.12 arc(155.98,158.18) v1(155.94,158.24) ; v1(88.11,156.61) v1(88.11,155.16)
  Bottom w0.25: v1(88.11,155.16) 91.59,155.16 arc(93.89,154.7) 95.85,153.39 97.81,151.43 arc(98.27,151.12) 98.82,151.01 99.42,151.01 arc(99.97,151.12) 100.43,151.43 100.61,151.61 arc(100.9,151.8) 101.24,151.87 145.38,151.87 145.89,151.88 146.8,151.88 arc(151.12,152.73) 154.78,155.18 155.78,156.18 arc(155.94,156.41) v1(155.99,156.68) ; v1(155.94,158.24) 155.94,162.53 arc(155.84,163.03) RGB5.4 ; RGB4.2 88.28,166.32 arc(87.71,165.47) 87.51,164.47 87.51,158.04 arc(87.67,157.27) v1(88.11,156.61)
Net-(RGB5-Pad2): length 41
  Top w0.25: v1(157.16,156.97) 157.16,158.34 arc(157.13,158.49) v1(157.05,158.61)
  Bottom w0.25: RGB6.4 171.2,142.77 arc(172.27,144.37) 172.64,146.25 172.64,152.06 arc(172.18,154.39) 170.85,156.37 arc(169.54,157.25) 167.98,157.56 158.6,157.56 arc(157.82,157.41) v1(157.16,156.97) ; v1(157.05,158.61) arc(156.69,159.14) 156.57,159.78 156.57,163.05 arc(157.14,165.91) RGB5.2
Net-(RGB6-Pad2): length 47.3
  Top w0.25: v1(195.18,163.13) 195.18,161.88 arc(195.2,161.77) v1(195.26,161.68)
  Bottom w0.25: v1(195.18,163.13) 195.18,173.38 arc(195.09,173.81) RGB7.4 ; RGB6.2 174.16,147.59 arc(173.48,148.61) 173.24,149.82 173.24,157.32 arc(173.39,158.09) 173.83,158.75 arc(175.15,159.63) 176.71,159.94 188.47,159.94 arc(189.25,159.79) 189.9,159.35 191.44,159.35 arc(192.13,159.48) 192.71,159.87 192.88,160.05 arc(192.97,160.5) 193.23,160.89 arc(194.16,161.51) 195.26,161.73 195.26,161.69 arc(195.26,161.68) v1(195.26,161.68)
Net-(RGB8-Pad2): length 107
  Top w0.25: v1(128.59,123.76) v1(128.59,125.67)
  Bottom w0.25: v1(128.59,125.67) arc(128.87,125.48) 129.2,125.42 138.07,125.42 arc(141.96,126.19) 145.26,128.39 145.78,128.91 arc(146.71,130.31) 147.04,131.96 arc(146.93,132.51) 146.62,132.98 arc(146.49,133.17) 146.45,133.4 146.45,133.75 arc(146.56,134.3) 146.87,134.77 147.04,134.94 arc(151,137.58) 155.67,138.51 166.44,138.51 arc(167.22,138.67) 167.88,139.11 arc(169.86,140.43) 172.19,140.89 183.11,140.89 arc(183.89,141.05) 184.55,141.49 arc(185.21,141.93) 185.98,142.08 202.76,142.08 arc(203.53,142.24) 204.19,142.68 arc(204.85,143.12) 205.63,143.27 212.53,143.27 arc(213.08,143.38) 213.54,143.7 213.89,144.04 arc(214.2,144.51) 214.31,145.06 214.31,146.03 arc(214.73,148.12) RGB8.2 ; v1(128.59,123.76) arc(128.28,123.97) 127.92,124.04 126.46,124.04 arc(125.4,123.83) RGB9.4
Net-(RGB8-Pad4): length 49
  Top w0.25: v1(196.45,163.14) v1(196.45,161.69)
  Bottom w0.25: RGB8.4 213.12,145.4 arc(213.56,146.06) 213.72,146.85 213.72,151.07 arc(212.63,156.52) 209.55,161.13 arc(208.89,161.57) 208.11,161.73 196.55,161.73 arc(196.5,161.72) v1(196.45,161.69) ; v1(196.45,163.14) arc(196.01,163.8) 195.86,164.57 195.86,173.76 arc(196.43,176.63) RGB7.2
Net-(RGB9-Pad2): length 60.9
  Top w0.25: v1(114.3,155.18) v1(114.3,151.15)
  Bottom w0.25: RGB9.2 119.51,126.34 arc(118.48,125.66) 117.28,125.42 110.13,125.42 arc(108.48,125.74) 107.08,126.68 105.97,127.8 arc(105.53,128.46) 105.37,129.23 105.37,130.53 arc(105.53,131.3) 105.97,131.96 arc(106.63,132.4) 107.4,132.56 107.75,132.56 arc(108.3,132.67) 108.77,132.98 110.13,134.34 arc(112.78,138.3) 113.7,142.97 113.7,149.71 arc(113.86,150.49) v1(114.3,151.15) ; RGB10.4 118.65,165.69 arc(117.52,160) v1(114.3,155.18)

## Copper pours and planes (outline as drawn; the poured copper is in the pictures)
GND on Top: 247.4,209.31 253.01,101.01 -7.74,101.6 -7.74,209.35
GND on Bottom: 254.2,100.41 -8.33,100.41 -7.14,208.76 249.44,209.35

## Text on the board
B.Silkscreen: by: Dr. Higsby
F.Silkscreen: by: Dr. Higsby
